# Altium PCB DB31.PcbDoc (part 1 of 8) (continued)
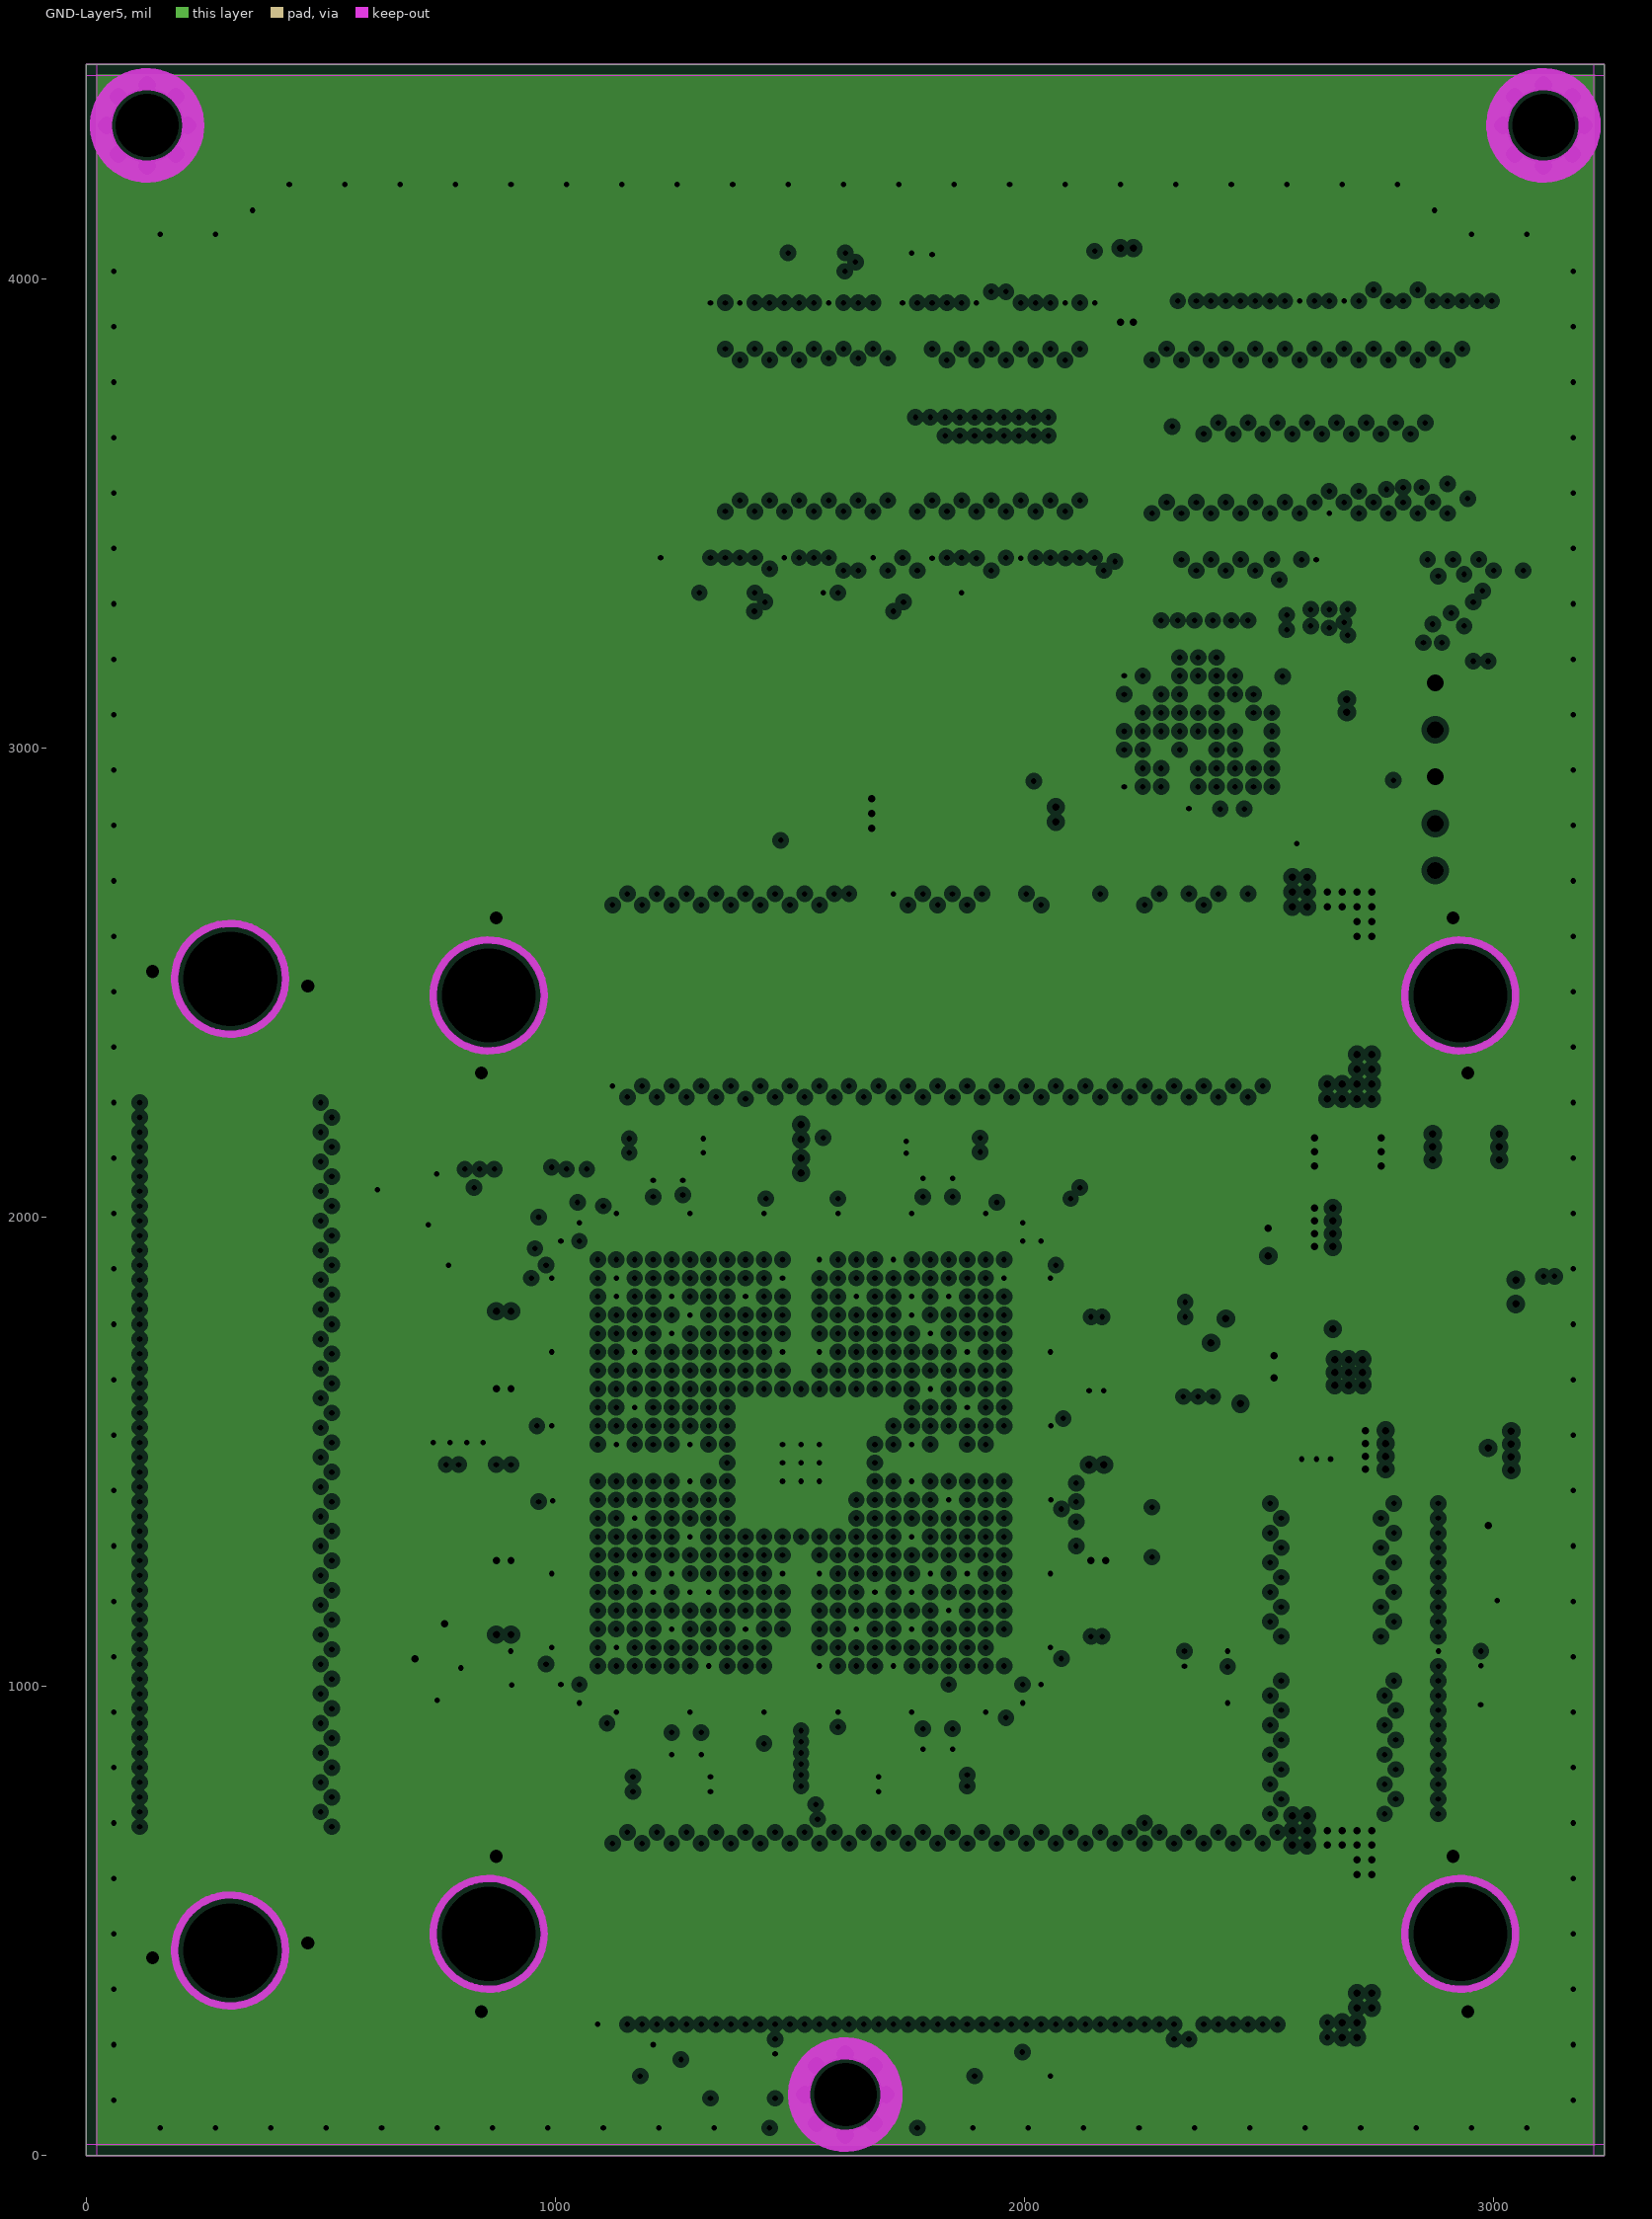
[diagram p4: GND-Layer5, clearances drawn from the general rule]
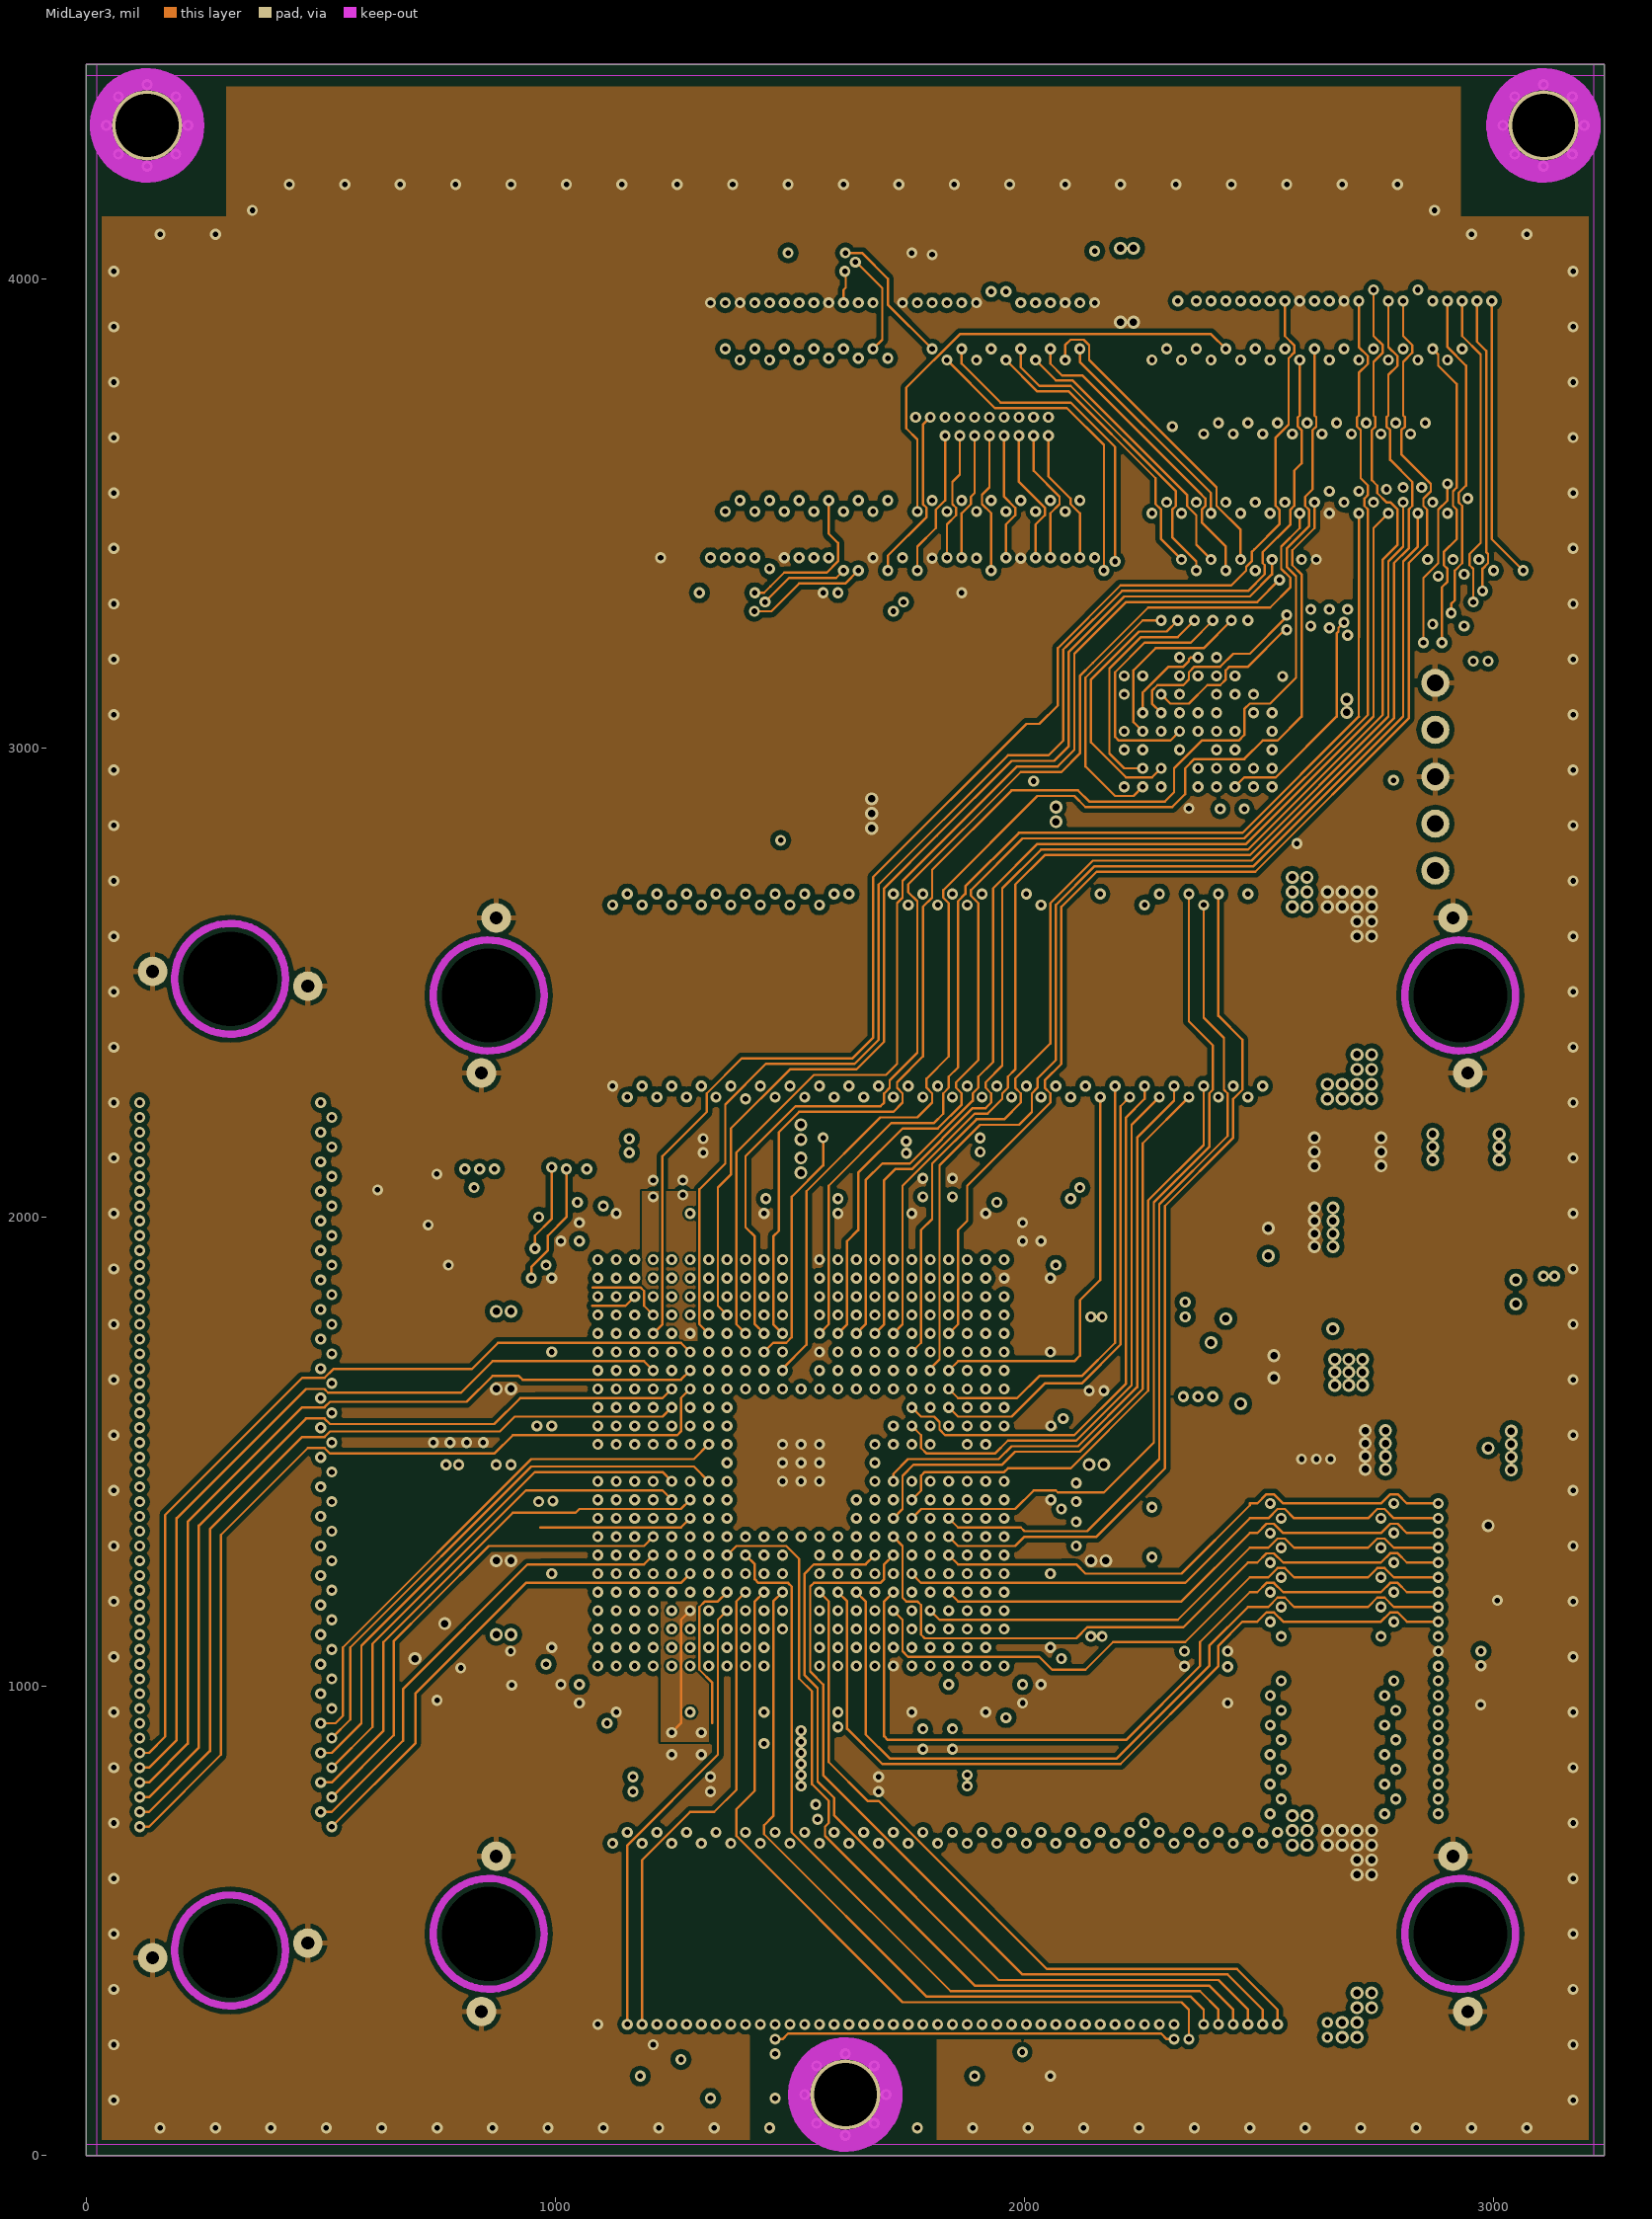
[diagram p5: MidLayer3]
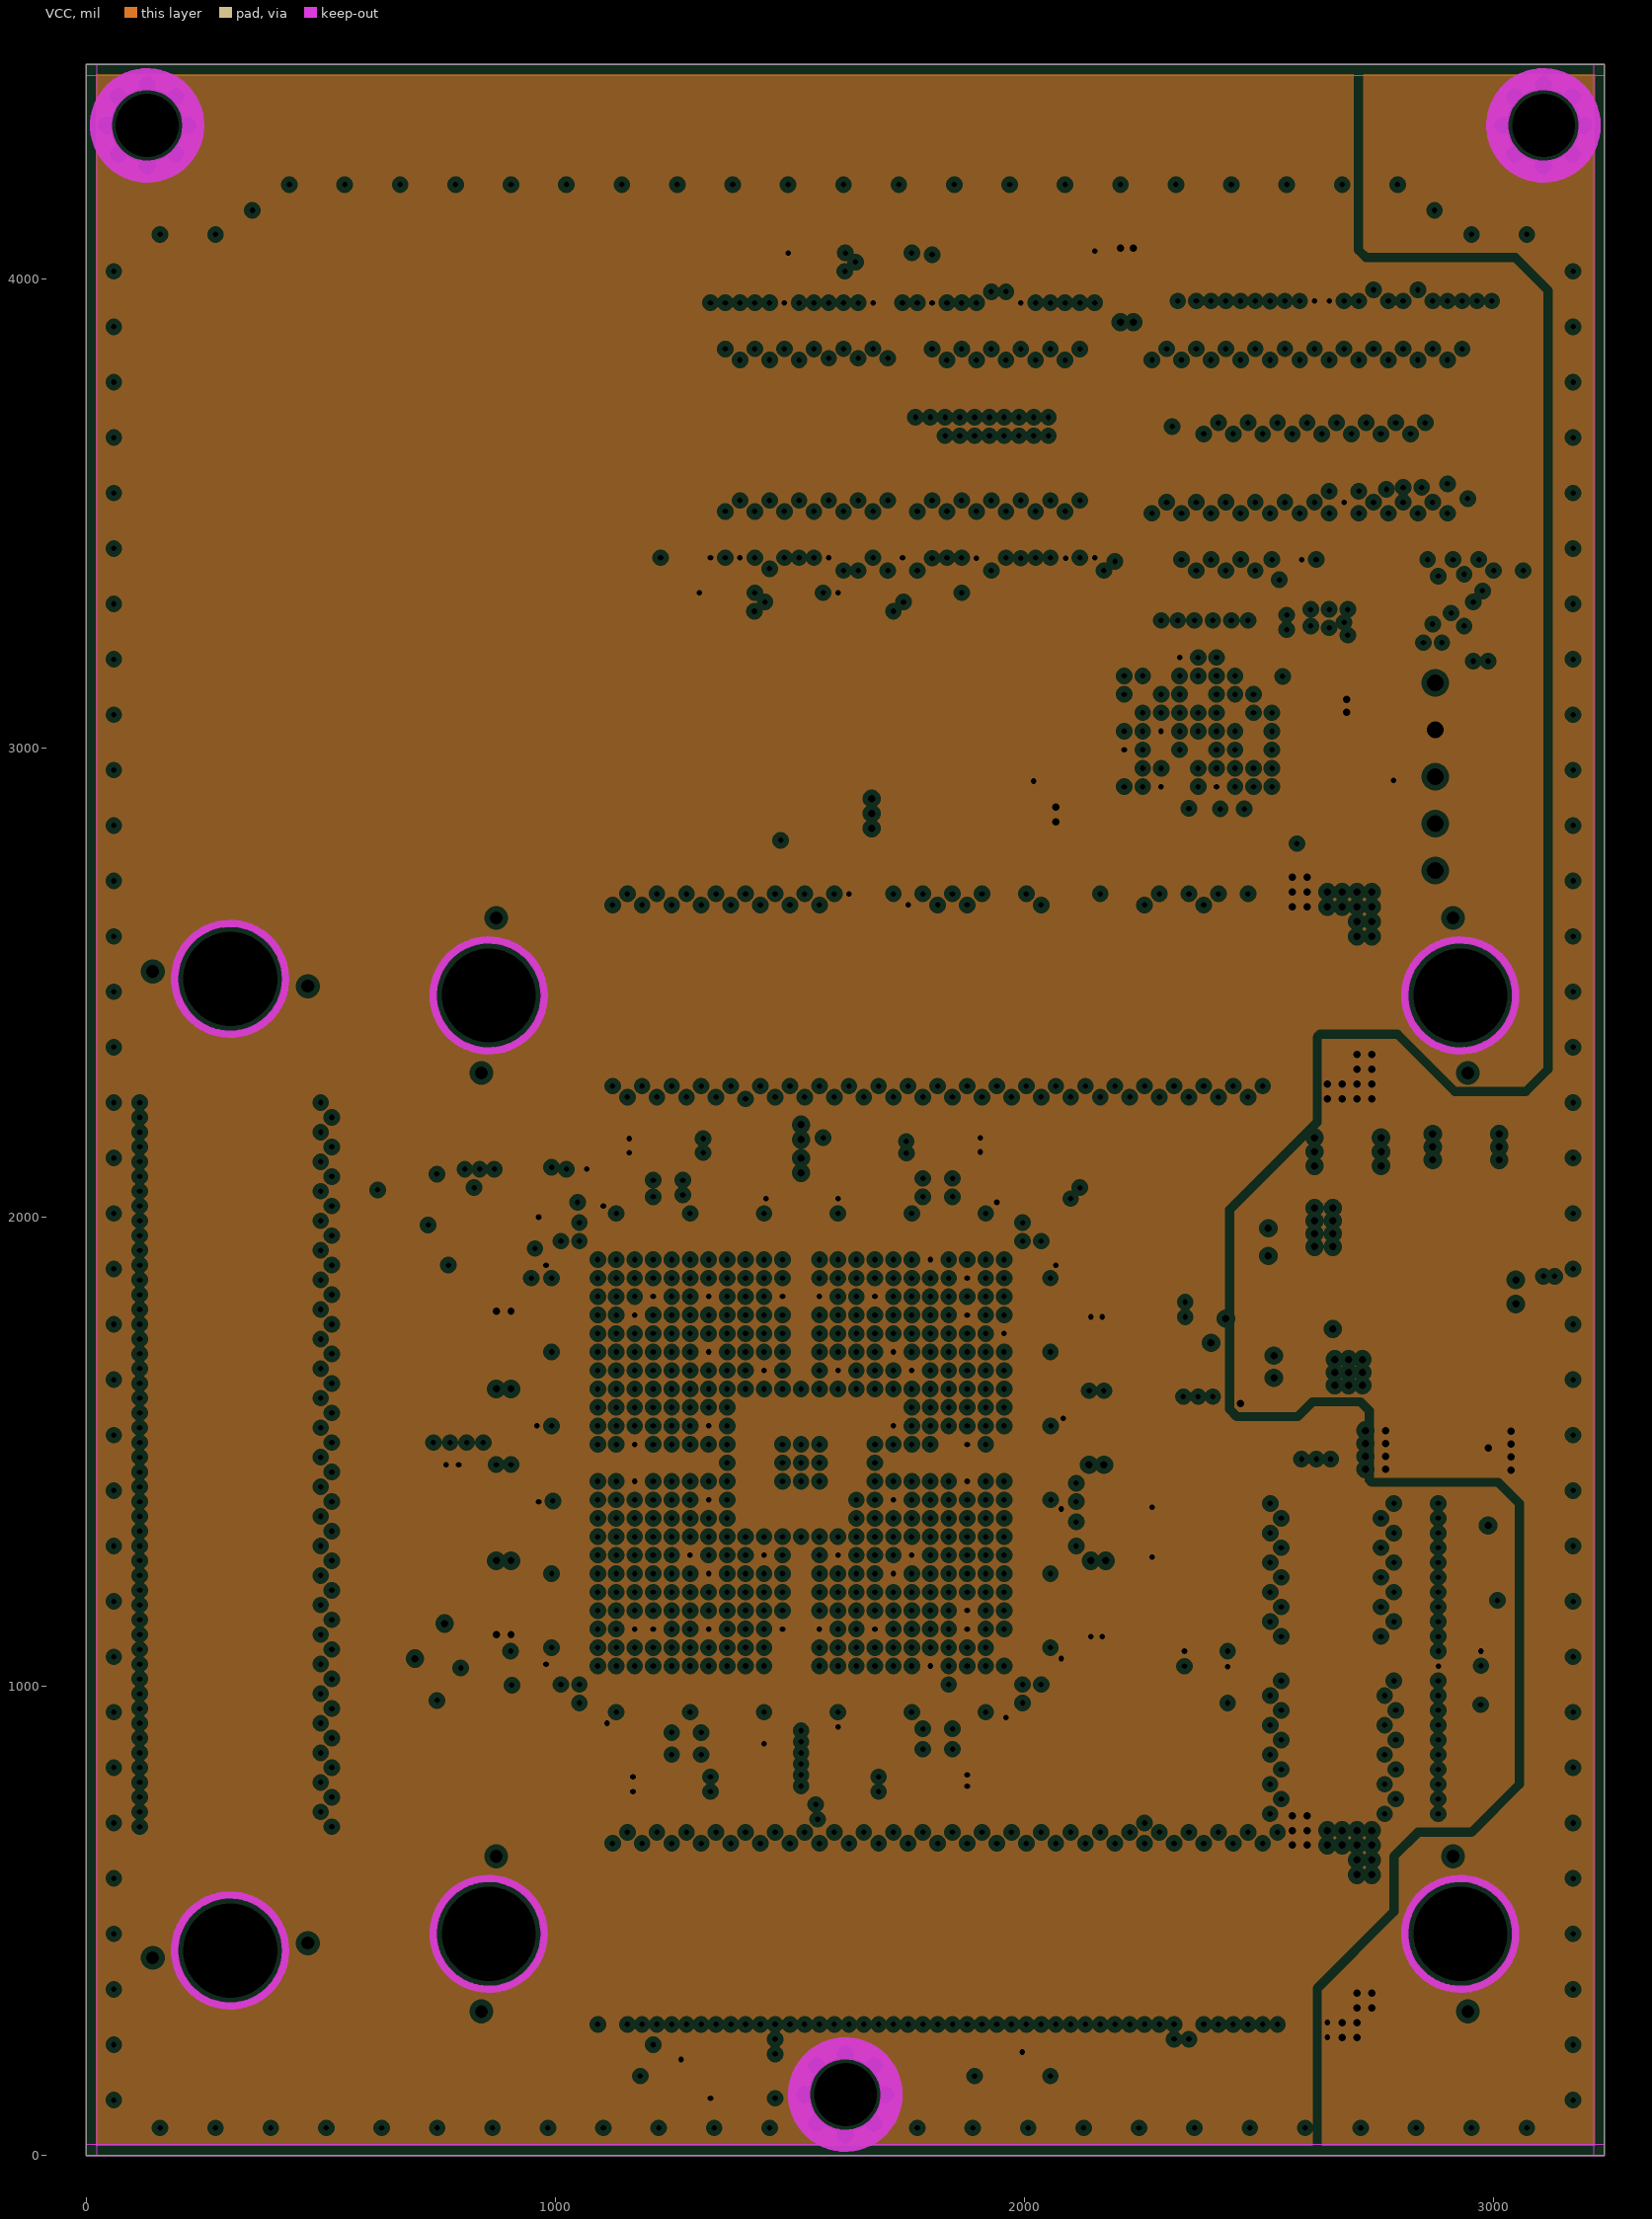
[diagram p6: VCC, clearances drawn from the general rule]